# Altium PCB main.PcbDoc (part 2 of 3)
Units mm, origin at the board's own origin, x right, y up, seen from the top; angles counter-clockwise.
Board outline 100 x 62 mm, 6 copper layers (Layer 1 SIG, Layer 2 GND, Layer 3 SIG, Layer 4 GND, Layer 5 GND, Layer 6 PWR), stack 1.548 mm thick; 223 components, 150 nets, 791 pads, 621 vias.
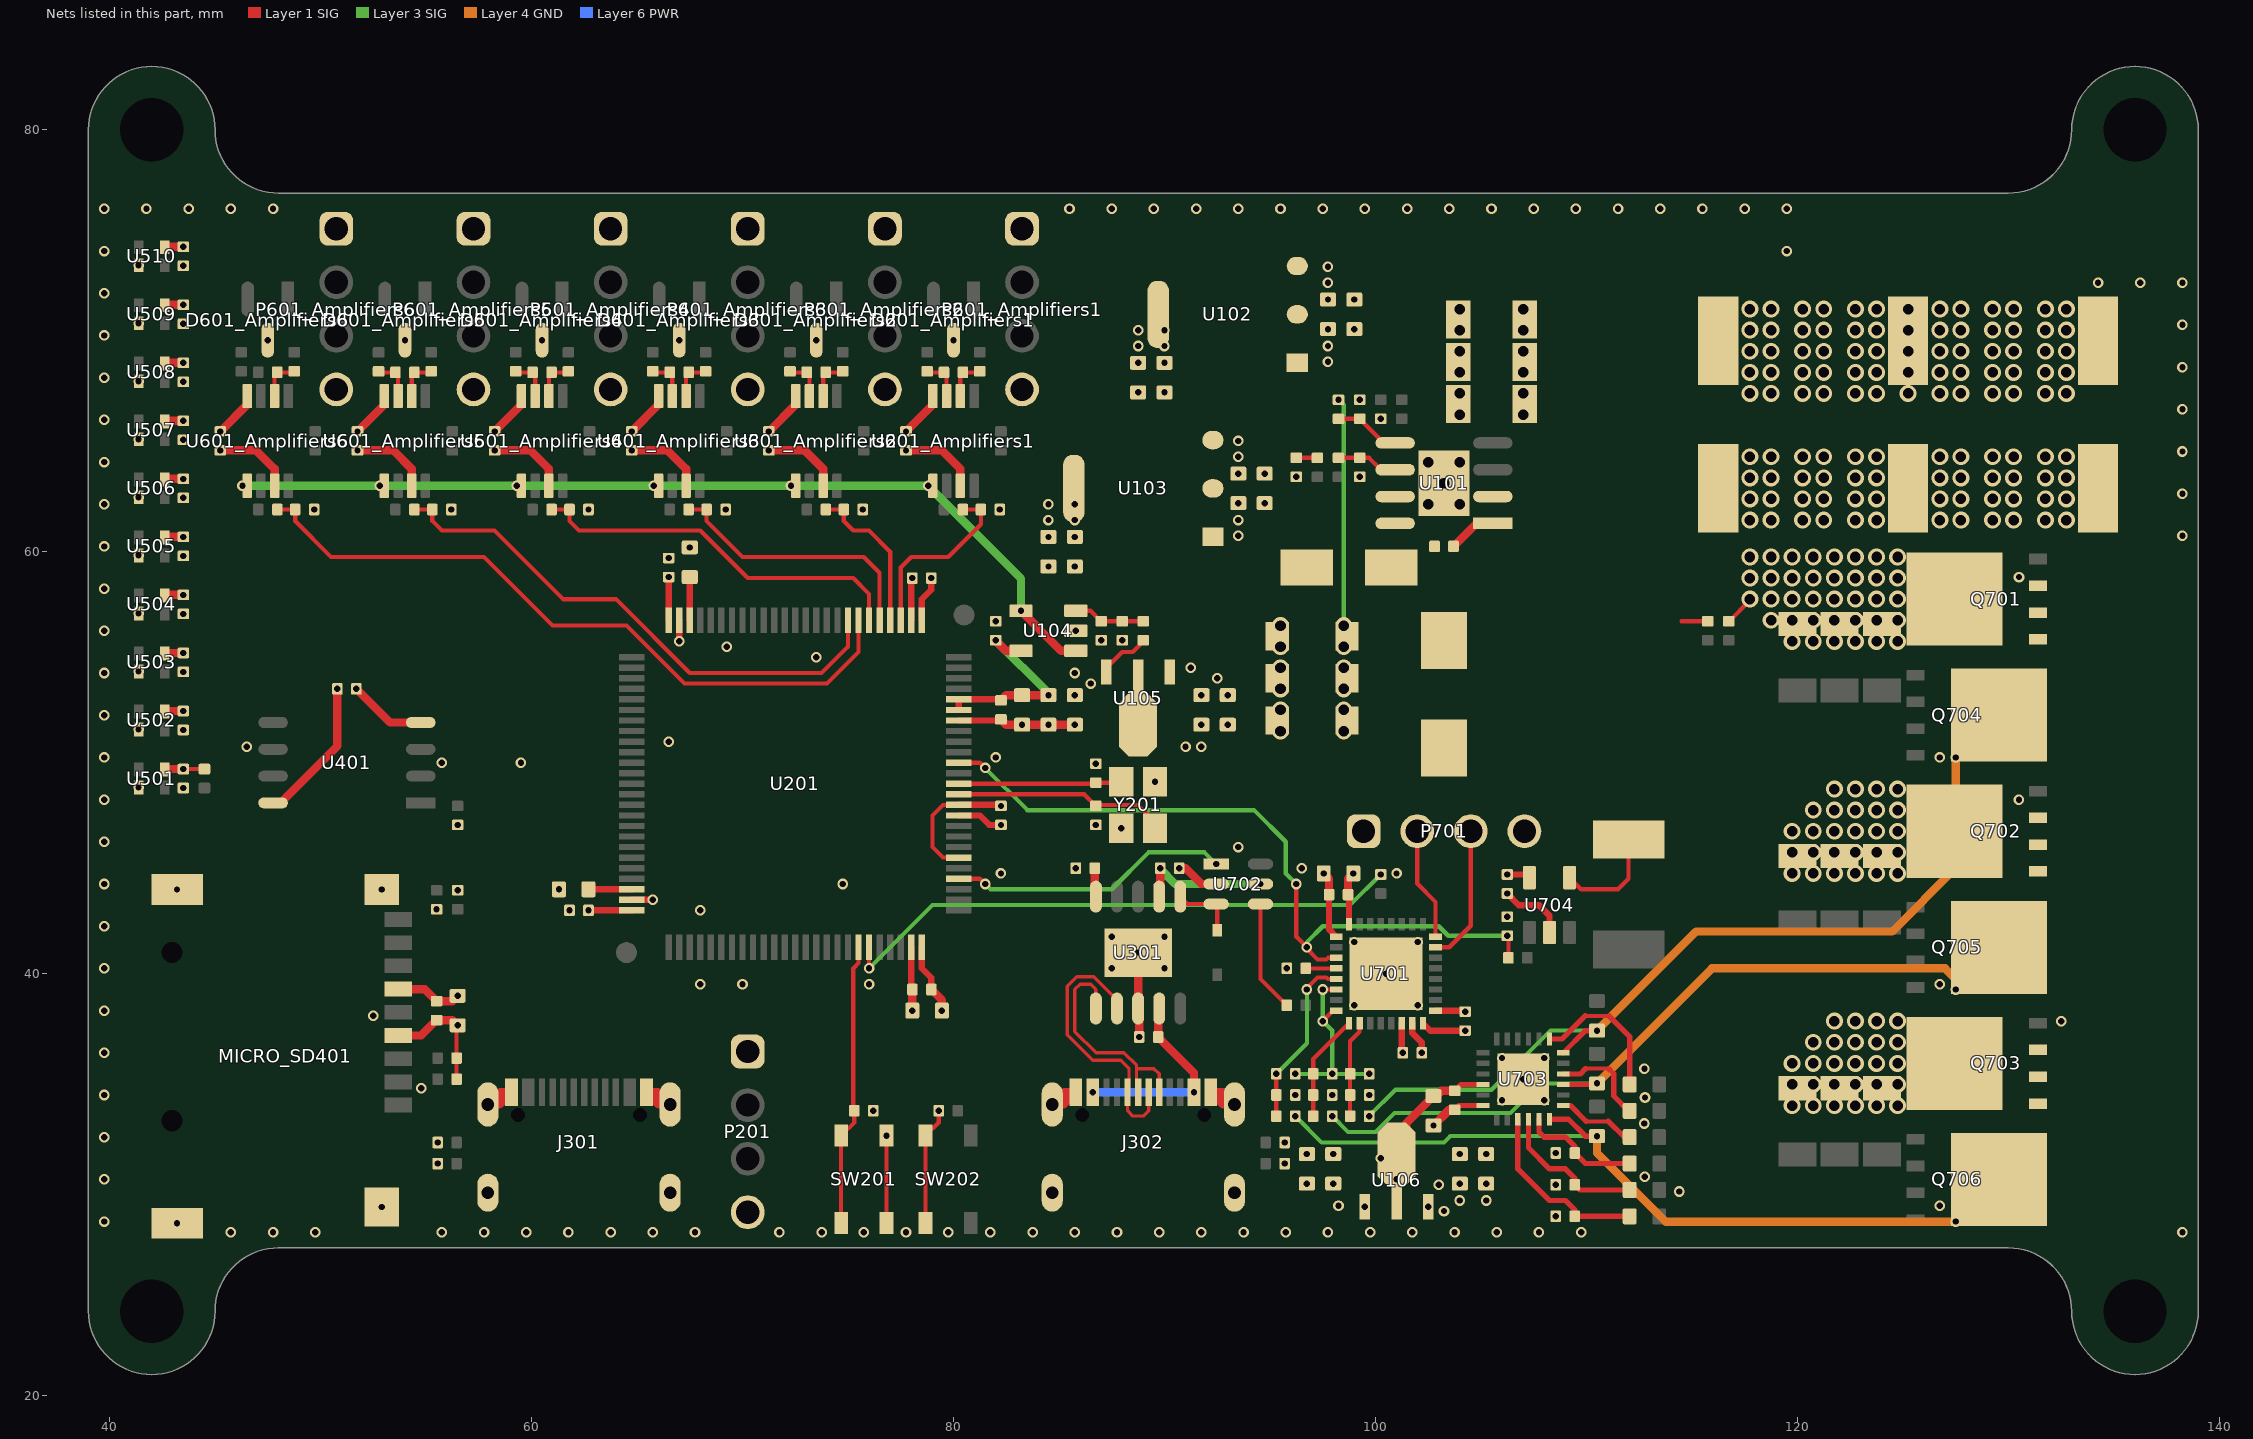
[diagram p6: the nets of this part, all layers, seen from the top]

## Part data
C101 C118 C119 C202 C203 C204 C205 C206 C210 C213 C301 C302 C303 C401 C402 C501 C502 C503 C504 C505 C506 C507 C508 C509 C510 C601_Amplifiers1 C601_Amplifiers2 C601_Amplifiers3 C601_Amplifiers4 C601_Amplifiers5 C601_Amplifiers6 C602_Amplifiers1 C602_Amplifiers2 C602_Amplifiers3 C602_Amplifiers4 C602_Amplifiers5 C602_Amplifiers6 C603_Amplifiers1 C603_Amplifiers2 C603_Amplifiers3 C603_Amplifiers4 C603_Amplifiers5 C603_Amplifiers6 C702 C703 C704 C705 C719 C721 C724: library part CMP-001-00065-4, "Chip Capacitor, 100nF +/-20%, 25V, 0402, Thickness 0.6 mm", Case/Package=0402, Max Operating Temperature=85°C, Min Operating Temperature=-55°C, Tolerance=10%, Voltage Rating=25V, Mounting Technology=SMT, Pins=2
C102 C103 C104 C706 C707 C708 C709 C710 C711 C712 C713 C714: library part CMP-06035-056253-1, "Chip Multilayer Ceramic Capacitors for General Purpose, 1206, 4.7uF, X7R, 15%, 10%, 100V"
C105 C106 C107: library part CMP-2000-07442-2, "Multilayer Ceramic Capacitors 47uF ±20% 16V X5R SMD 1206", Capacitance=47uF, Case Code (Imperial)=1206, Case Code (Metric)=3216, Dielectric=X5R, Dielectric Material=Ceramic, Max Operating Temperature=85°C, Min Operating Temperature=-55°C, Package Quantity=1, Tolerance=20%, Voltage Rating=16V, Case/Package=1206, Construction=Flat, Depth=1.6mm, Height=1.6mm, Lead Free="Lead Free", Length=3.2mm, Mount="Surface Mount", Packaging="Tape and Reel", Radiation Hardening=No, REACH SVHC="No SVHC", Resistor Type=Ceramic, RoHS Compliant=Yes, Series=C, Termination=SMD/SMT, Thickness=0.071inch, Voltage Rating (DC)=16V, Weight=0.000571oz, Width=0.063inch
C108 C211 C212: library part CMP-001-00069-3, "Chip Capacitor, 15pF +/-20%, 50V, 0402, Thickness 0.6 mm", Case/Package=0402, Max Operating Temperature=85°C, Min Operating Temperature=-55°C, Tolerance=5%, Voltage Rating=50V, Mounting Technology=SMT, Pins=2
C109: library part CMP-001-00069-3, "Chip Capacitor, 10nF +/-20%, 50V, 0402, Thickness 0.6 mm", Case/Package=0402, Max Operating Temperature=85°C, Min Operating Temperature=-55°C, Tolerance=5%, Voltage Rating=50V, Mounting Technology=SMT, Pins=2
C110 C111 C112 C113 C114 C115 C116 C117 C120 C121 C122 C123 C124 C125 C126 C127 C201 C207 C208 C209 C403 C701 C718 C720 C722 C723: library part CMP-001-00075-4, "Chip Capacitor, 10µF +/-20%, 10V, 0603, Thickness 1 mm", Case/Package=0603, Max Operating Temperature=85°C, Min Operating Temperature=-55°C, Tolerance=10%, Voltage Rating=10V, Mounting Technology=SMT, Pins=2
C715 C716 C717: library part CMP-03913-53914685-1, "865230453006 WCAP-AS5H Aluminum Electrolytic Capacitors", Capacitance=100µF, Case/Package=Radial, Insulation Resistance=1MΩ, Leakage Current=25µA, Max Operating Temperature=105°C, Min Operating Temperature=-40°C, Ripple Current=116mA, Tolerance=20%, Voltage Rating=25V, Diameter=8mm, Height=10.5mm, Height - Seated (Max)=10.4902mm, Length=10.5mm, Life (Hours)=5000hours, Mount="Surface Mount", NexarPartId=53914685, Packaging=Digi-Reel®, Polarity=Polar, REACH SVHC=Unknown, Ripple Current (AC)=116mA, RoHS=Compliant, Voltage Rating (DC)=25V, Width=8.3mm
D101: library part CMP-1667-00003-3, "DIODE SCHOTTKY 40V 3A SMA", Average Rectified Current=3A, Capacitance=250pF, Case/Package=SMA, Forward Voltage=500mV, Max Forward Surge Current (Ifsm)=80A, Max Operating Temperature=125°C, Max Repetitive Reverse Voltage (Vrrm)=40V, Max Reverse Current=500uA, Min Operating Temperature=-55°C, Package Quantity=5000, Contact Plating=Tin, Current=3A, Current Rating=3A, Element Configuration=Single, Forward Current=3A, Height=2.3mm, Lead Free="Lead Free", Length=4.6mm, Max Reverse Voltage (DC)=40V, Mount="Surface Mount", Number of Pins=2, Output Current=3A, Packaging="Tape and Reel", Peak Non-Repetitive Surge Current=80A, Polarity=Standard, Radiation Hardening=No, REACH SVHC="No SVHC", RoHS Compliant=Yes, Series=-, Termination=SMD/SMT, Voltage=40V, Voltage Rating (DC)=40V, Weight=0.002258oz, Width=2.92mm
D301: library part CMP-1667-00004-1, "Fast Switching Diode, 75 V, 0.3 A, -65 to 150 degC, 2-Pin SOD323, RoHS, Tape and Reel", ComponentLink1Description="Manufacturer URL", ComponentLink1URL=http://www.diodes.com/, ComponentLink2Description=Datasheet, ComponentLink2URL=http://www.diodes.com/datasheets/ds30097.pdf, DatasheetVersion="Rev. 25-2, 03/2016", PackageDescription="2-Pin Small Outline Diode, Body 1.7 x 1.3 mm", PackageReference=SOD323-2
D601_Amplifiers1 D601_Amplifiers2 D601_Amplifiers3 D601_Amplifiers4 D601_Amplifiers5 D601_Amplifiers6: library part CMP-14432-000008-1, "TVS DIODE 3.3VWM 20VC TO236AB", RoHS Compliant=Yes
J301 J302: "Connector Type:Type-C Standard:- Gender:Female Number of Contacts:16 Number of Ports:1 Mounting Style:Surface Mount Current Rating - Power (Max):3A Operating Temperature Range:-25℃~+85℃ Operating Temperature Range:-25℃~+85℃", Current Rating - Power (Max)=3A, JLCPCB Part Class="Extended Part", LCSC Part Name="Type-C 母座 卧贴", Manufacturer=DEALON(德艺隆), Operating Temperature Range=-25℃~+85℃, Add into BOM=yes, Connector Type=Type-C, Convert to PCB=yes, Datasheet=https://atta.szlcsc.com/upload/public/pdf/source/20211217/CCD3D517E355E8E0CC52ABD8D5784AD8.pdf, Device=USB-TYPE-C-019, Gender=Female, Manufacturer Part=USB-TYPE-C-019, Mounting Style="Surface Mount", Number of Contacts=16, Number of Ports=1, Standard=-, Supplier=LCSC, Supplier Footprint=SMD, Supplier Part=C2927039, Symbol=USB-TYPE-C-019
L101: library part CMP-0226-00071-2, Ambient Temperature Range High=100°C, Ambient Temperature Range Low=-40°C, Case/Package=Nonstandard, Current Rating=6A, DC Resistance (DCR)=19.5mΩ, Inductance=4.7µH, Inductance Tolerance=20%, Max Operating Temperature=150°C, Saturation Current=7A, Self Resonant Frequency=33MHz, Series Resistance=19.5Ω, Test Frequency=100kHz, Composition=Wirewound, Depth=6.9mm, Height=3.8mm, Height - Seated (Max)=3.9878mm, Lead Free="Lead Free", Length=7mm, Max DC Current=6A, Min Operating Temperature=-40°C, Mount="Surface Mount", NexarPartId=7864301, Number of Pins=2, Packaging="Cut Tape (CT)", REACH SVHC=Unknown, Resistance=19.5mΩ, RMS Current (Irms)=6A, RoHS=Compliant, Shielding=Shielded, Termination=SMD/SMT, Tolerance=20%, Width=6.9mm
MICRO_SD401: "Standard Card Edge Connectors", Package=Package, Availability="Not in stock", Check_prices=https://www.snapeda.com/parts/TF-01A/HRO+Electronics+Co.%252C+Ltd./view-part/?ref=eda, MF="HRO Electronics Co., Ltd.", MP=TF-01A, Price=None, SnapEDA_Link=https://www.snapeda.com/parts/TF-01A/HRO+Electronics+Co.%252C+Ltd./view-part/?ref=snap
P201 P601_Amplifiers1 P601_Amplifiers2 P601_Amplifiers3 P601_Amplifiers4 P601_Amplifiers5 P601_Amplifiers6 P701: library part CMP-1502-01064-3, Color=Black, Contact Resistance=20mΩ, Current Rating=3A, Max Operating Temperature=105°C, Min Operating Temperature=-40°C, Operating Supply Voltage=250V, Connector Type="Male Pin", Contact Material=Copper, Contact Mating Length=5.9944mm, Contact Plating=Gold, Gender=Male, Height=8.89mm, Lead Free="Lead Free", Lead Pitch=2.54mm, Mount="Through Hole", NexarPartId=32855522, Number of Contacts=4, Number of Pins=4, Number of Positions=4, Number of Rows=1, Orientation=Vertical, Packaging=Bulk, Pitch=2.54mm, REACH SVHC=Unknown, RoHS=Compliant, Termination=Solder, Voltage Rating=250V
Q701 Q702 Q703 Q704 Q705 Q706: library part CMP-00196-81703971-1, "BSC0702LSATMA1 Transistor MOSFET N-CH 60V 100A 8-Pin TDSON T/R - Tape and Reel", Continuous Drain Current (ID)=23A, Drain to Source Breakdown Voltage=60V, Drain to Source Resistance=2.3mΩ, Gate to Source Voltage (Vgs)=20V, Max Junction Temperature (Tj)=150°C, Min Operating Temperature=-55°C, Power Dissipation=2.5W, Drain to Source Voltage (Vdss)=60V, Height=1mm, Max Operating Temperature=150°C, NexarPartId=81703971, Number of Channels=1, Turn-Off Delay Time=25ns, Turn-On Delay Time=7.7ns
R101 R103 R106 R703 R704 R705 R706 R707 R708 R709: library part CMP-009-00168-3, "Chip Resistor, 100 kOhms, +/-1 %, 63 mW, -55 to 155 degC, 0402", Case/Package=0402, Max Operating Temperature=155°C, Min Operating Temperature=-55°C, Power=63mW, Tolerance=1%, Pins=2
R102 R104 R105 R107 R108 R201 R401 R402 R403 R404 R405 R602_Amplifiers1 R602_Amplifiers2 R602_Amplifiers3 R602_Amplifiers4 R602_Amplifiers5 R602_Amplifiers6 R603_Amplifiers1 R603_Amplifiers2 R603_Amplifiers3 R603_Amplifiers4 R603_Amplifiers5 R603_Amplifiers6 R604_Amplifiers1 R604_Amplifiers2 R604_Amplifiers3 R604_Amplifiers4 R604_Amplifiers5 R604_Amplifiers6 R720 R721 R722: library part CMP-009-00149-3, "Chip Resistor, 10 kOhms, +/-1 %, 63 mW, -55 to 125 degC, 0402", Case/Package=0402, Max Operating Temperature=155°C, Min Operating Temperature=-55°C, Power=63mW, Tolerance=1%, Pins=2
R301 R302 R303 R304 R501 R710 R711 R712 R713 R723: library part CMP-009-00158-3, "Chip Resistor, 5.1 kOhms, +/-1 %, 63 mW, -55 to 155 degC, 0402", Case/Package=0402, Max Operating Temperature=155°C, Min Operating Temperature=-55°C, Power=63mW, Tolerance=1%, Pins=2
R601_Amplifiers1 R601_Amplifiers2 R601_Amplifiers3 R601_Amplifiers4 R601_Amplifiers5 R601_Amplifiers6: library part CMP-009-00157-3, "Chip Resistor, 1.2 kOhms, +/-1 %, 63 mW, -55 to 155 degC, 0402", Case/Package=0402, Max Operating Temperature=155°C, Min Operating Temperature=-55°C, Power=63mW, Tolerance=1%, Pins=2
R701 R702: library part CMP-009-00167-3, "Chip Resistor, 100 Ohms, +/-1 %, 63 mW, -55 to 155 degC, 0402", Case/Package=0402, Max Operating Temperature=155°C, Min Operating Temperature=-55°C, Power=63mW, Tolerance=1%, Pins=2
R714 R715 R716 R717 R718 R719: library part CMP-009-00183-1, "Chip Resistor, 20 Ohms, +/-5 %, 0.1 W, -55 to 155 degC, 0603", Case/Package=0603, Max Operating Temperature=155°C, Min Operating Temperature=-55°C, Power=100mW, Tolerance=5%, Pins=2
R724: library part CMP-04015-070281-1, "RES 500 UOHM 1% 8W NONSTANDARD", RoHS Compliant=Yes
SW201 SW202: library part CMP-10040-000001-2, "SWITCH TACTILE SPST-NO 0.05A 16V", Case/Package=SMD/SMT, Color=Black, Current Rating=50mA, Max Operating Temperature=85°C, Min Operating Temperature=-40°C, Operating Force=160gf, Package Quantity=2900, Voltage Rating (DC)=16V, Actuator Type=Standard, Contact Plating=Silver, Depth=4.6mm, Illumination Type=Non-Illuminated, Lead Free="Lead Free", Length=3.2mm, Max Current Rating=50mA, Mechanical Life=150000Cycles, Mount="Surface Mount", Orientation=Straight, Packaging="Tape and Reel", RoHS Compliant=Yes, Switch Function=Off-Mom, Switch Travel=0.15mm, Termination=J-Bend, Throw Configuration=SPST
U101: library part CMP-04918-000033-1, "IC REG BCK SPLIT RAIL ADJ 8SOPWR", Manufacturer="Texas Instruments", Max Junction Temp=+150°C, Max Supply Voltage=60V, Min Supply Voltage=4.5V, Nominal Supply Current=146uA, Output Current=5A, Output Voltage=0.8-58.8V, Package=DDA0008E, Switching Frequency=100-2500kHz, Temperature="-40°C to +125°C", Temperature Range High=+125°C, Temperature Range Low=-40°C, Automotive=No, Category=IC, ComponentLink2Description=Datasheet, ComponentLink2URL=http://www.ti.com/lit/ds/symlink/tps54560.pdf, Device Class L1="Integrated Circuits (ICs)", Device Class L2="Power Management ICs", Device Class L3="Voltage Regulators - Switching", Digikey Description="IC REG BCK SPLIT RAIL ADJ 8SOPWR", Height=1.7mm, Ipc Land Pattern Name=SOIC127P600X170-8, Lead Free=Yes, Manufacturer Part Number=TPS54560DDA, Max Duty Cycle=100%, Mouser Description="Voltage Regulators - Switching Regulators 60V Input 5 A SD DC-DC Cnvtr", Number Of Outputs=1, Octopart=https://octopart.com/tps54560dda-texas+instruments-26977150, Output Type=AdjustableProgrammable, RoHS=TRUE, Standoff Height=0mm, Switching Topology=Buck
U102: library part CMP-209535-000001-1, "LDO Voltage Regulators 1A, 5.0V", Dropout Voltage=1.1V, JLCPCB Part #=C6187, Manufacturer="Advanced Monolithic Systems", Max Junction Temp=+125°C, Max Power Dissipation=1.2W, Max Supply Voltage=15V, Nominal Supply Current=5mA, Output Current=1A, Output Voltage=3.3V, Package=AMS1117, Temperature="-40°C to +125°C", Temperature Range Low=-40°C, Automotive=No, Category=IC, ComponentLink2Description=Datasheet, ComponentLink2URL=http://www.advanced-monolithic.com/pdf/ds1117.pdf, Device Class L1="Integrated Circuits (ICs)", Device Class L2="Power Management ICs", Device Class L3="Voltage Regulators - Linear", Height=1.8mm, Ipc Land Pattern Name=SOT229P700X180-4, Lead Free=Yes, Manufacturer Part Number=AMS1117-5.0, Number Of Outputs=1, Output Type=Fixed, RoHS=TRUE, Standoff Height=0.64mm, Temperature Range High=+125°C
U103: library part CMP-209535-000001-1, "LDO Voltage Regulators 1A, 3.3V", Dropout Voltage=1.1V, JLCPCB Part #=C6186, Manufacturer="Advanced Monolithic Systems", Max Junction Temp=+125°C, Max Power Dissipation=1.2W, Max Supply Voltage=15V, Nominal Supply Current=5mA, Output Current=1A, Output Voltage=3.3V, Package=AMS1117, Temperature="-40°C to +125°C", Temperature Range Low=-40°C, Automotive=No, Category=IC, ComponentLink2Description=Datasheet, ComponentLink2URL=http://www.advanced-monolithic.com/pdf/ds1117.pdf, Device Class L1="Integrated Circuits (ICs)", Device Class L2="Power Management ICs", Device Class L3="Voltage Regulators - Linear", Height=1.8mm, Ipc Land Pattern Name=SOT229P700X180-4, Lead Free=Yes, Manufacturer Part Number=AMS1117-3.3, Number Of Outputs=1, Octopart=https://octopart.com/ams1117-3.3-advanced+monolithic+systems-25899300, Output Type=Fixed, RoHS=TRUE, Standoff Height=0.64mm, Temperature Range High=+125°C
U104: library part CMP-0272-00862-4, "IC OPAMP ZER-DRIFT 1CIRC SOT23-5", Case/Package=SOT-23-5, Input Bias Current=200pA, Input Offset Voltage (Vos)=10uV, Max Dual Supply Voltage=2.75V, Max Operating Temperature=125°C, Max Supply Voltage=5.5V, Min Dual Supply Voltage=900mV, Min Operating Temperature=-40°C, Min Supply Voltage=1.8V, Nominal Supply Current=25uA, Operating Supply Current=17uA, Output Current=5mA, Package Quantity=1, Power Supply Rejection Ratio (PSRR)=120dB, Voltage Gain=130dB, Bandwidth=350kHz, Common Mode Rejection Ratio=106dB, Contact Plating=Gold, Gain Bandwidth Product=350kHz, Lead Free="Lead Free", Max I/O Voltage=10uV, Number of Amplifiers=1, Number of Channels=1, Number of Circuits=1, Number of Elements=1, Number of Pins=5, Operating Supply Voltage=2.75V, Output Current per Channel=5mA, Packaging="Tape and Reel", Radiation Hardening=No, REACH SVHC="No SVHC", Slew Rate=0.16V/µs, Unity Gain Bandwidth Product=350kHz
U105 U106: library part CMP-0204-00101-1, "100mA Low Power LDO, Output Voltage 3.3V, SOT89 Pkg", Code_IPC=SOT89, DatasheetVersion="Rev1.80, Mar-2010", PackageDescription="3-Pin SOT-89 Package 1.5 mm Pitch, 4.1 mm Lead Span", PackageReference=SOT89, PackageVersion=May-2010
U201: library part CMP-12105-000017-1, "IC MCU 32BIT 128KB FLASH 100LQFP", Ambient Temperature Range High=+85°C, Ambient Temperature Range Low=-40°C, Frequency=480MHz, Manufacturer=STMicroelectronics, Max Junction Temp=+125°C, Max Supply Voltage=3.6V, Min Supply Voltage=1.62V, Package=LQFP100-1L, Temperature="-40°C to +125°C", Automotive=No, Category=IC, ComponentLink2Description=Datasheet, ComponentLink2URL=https://www.st.com/resource/en/datasheet/stm32h750vb.pdf, Core Architecture="ARM Cortex-M7", Data Bus Width=32bits, Device Class L1="Integrated Circuits (ICs)", Device Class L2="Embedded Processors and Controllers", Device Class L3=Microcontrollers, Digikey Description="IC MCU 32BIT 128KB FLASH 100LQFP", Height=1.6mm, Interface=I2C,SPI,UART,USART,CAN,USB,LIN,IrDA,Ethernet,I2S,Other, Lead Free=Yes, Manufacturer Part Number=STM32H750VBT6, Memory Size=128KBytes, Memory Type=FLASH, Mouser Description="MCU 32-Bit STM32H750VB ARM Cortex M7 RISC 128KB Flash 1.8V/2.5V/3.3V 100-Pin LQFP Tray", Number Of A/D Converters=3, Number Of Adc Channels=36, Number Of Cores=1, Number Of Ethernet Channels=1, Number Of I2C Channels=4, Number Of I/Os=82, Number Of Pwm Channels=42, Number Of Spi Channels=6, Number Of Timers/Counters=20, Number Of Uart Channels=9, Number Of Usb Channels=2, Octopart=https://octopart.com/stm32h750vbt6-stmicroelectronics-94048547, Ram Size=1MBytes, RoHS=TRUE, Standoff Height=0.05mm, Temperature Range High=+125°C, Temperature Range Low=-40°C
U301: "ESSOP-10-150mil USB Converters ROHS"
U401: library part CMP-2000-05006-2, "IC FLASH 32M SPI 104MHZ 8SOIC", Ambient Temperature Range High=+85°C, Ambient Temperature Range Low=-40°C, Frequency=104MHz, Manufacturer=Winbond, Max Supply Voltage=3.6V, Min Supply Voltage=2.7V, Nominal Supply Current=8-20mA, Package=SS, Temperature="-40°C to +85°C", Access Time=7ns, Automotive=No, Category=IC, ComponentLink2Description=Datasheet, ComponentLink2URL=https://www.winbond.com/resource-files/w25q32fv%20revj%2006032016.pdf, Device Class L1="Integrated Circuits (ICs)", Device Class L2=Memory, Device Class L3=Flash, Digikey Description="IC FLASH 32M SPI 104MHZ 8SOIC", Footprint Url=http://www.winbond.com/resource-files/an0000009%20spiflash%20pcb%20layout%20guideline%20v2.0%2009252017.pdf?__locale=en, Height=2.16mm, Interface=SPI,Other, Ipc Land Pattern Name=SOIC127P790X195-8, Lead Free=Yes, Manufacturer Part Number=W25Q32JVSSIQ, Memory Size=32Mbits, Memory Type=FLASH, Obsolete Part=true, Octopart=https://octopart.com/w25q32fvssig-winbond-23896462, RoHS=TRUE, Standoff Height=0.05mm, Temperature Range High=+85°C, Temperature Range Low=-40°C
U601_Amplifiers1 U601_Amplifiers2 U601_Amplifiers3 U601_Amplifiers4 U601_Amplifiers5 U601_Amplifiers6: library part CMP-0944-00088-2, "Low Power, Precision Instrumentation Amplifier, -40 to 125 degC, 8-pin SOP (DGK8), Green (RoHS & no Sb/Br)", Input Bias Current (+/-)(Max)(nA)=0.2, Manufacturer="Texas Instruments", Quiescent Current (+/-)(Typ)(mA)=0.05, CMRR(Min)(dB)=100, Code_JEDEC=MO-187, ComponentLink1Description="Manufacturer URL", ComponentLink1URL=http://www.ti.com/, ComponentLink2Description=Datasheet, ComponentLink2URL=http://www.ti.com/general/docs/lit/getliterature.tsp?genericPartNumber=INA333&fileType=pdf, ComponentLink3Description="Package Specification", ComponentLink3URL=http://www.ti.com/litv/pdf/mpds028d, DatasheetVersion=SBOS445B, Eco-Plan="Green (RoHS & no Sb/Br)", Gain(V/V)="1 to 1000", Input Offset (+/-)(Max)(uV)=25, Input Offset Drift (+/-)(Max)(uV/Degrees Celsius)=0.1, Mounting Technology="Surface Mount", Noise at 1kHz(Typ)(nV/rt(Hz))=50, Number of Channels=1, Output Offset (+/-)(Max)(uV)=75/G, Output Offset Drift (+/-)(Max)(uV/Degrees Celsius)=0.5/G, PackageDescription="8-Pin Thin Small Outline, Body 3 x 3 mm, Pitch 0.65 mm", PackageReference=DGK0008A, PackageVersion="4073329/E, 05/2006", PartNumber=INA333AIDGKR, SubFamily="Single Supply", Vs(Max)(V)=5.5, Vs(Min)(V)=1.8
U701: library part CMP-12105-000119-1, "IC MCU 32BIT 128KB FLSH 32UFQFPN", RoHS Compliant=Yes
U702: library part CMP-0859-00203-4, "IC SWITCH SPDT SOT23-6", Case/Package=SOT-23, High Level Output Current=128mA, Max Operating Temperature=125°C, Max Supply Current=10uA, Max Supply Voltage=5.5V, Min Operating Temperature=-40°C, Min Supply Voltage=1.65V, On-State Resistance=15R, Operating Supply Current=1uA, Package Quantity=3000, Bandwidth=300MHz, Contact Plating=Gold, Height=1.3mm, Lead Free="Lead Free", Length=3.05mm, Low Level Output Current=128mA, Mount="Surface Mount", Nominal Supply Current=10uA, Number of Bits=1, Number of Channels=1, Number of Inputs=1, Number Of Outputs=2, Number of Pins=6, Packaging="Tape and Reel", Polarity=Non-Inverting, Propagation Delay=300ps, Radiation Hardening=No, REACH SVHC="No SVHC", RoHS Compliant=Yes, Series=74LVC, Supply Current=10uA, Supply Type=Single, Termination=SMD/SMT, Throw Configuration=SPDT, Turn-Off Delay Time=3.8ns, Turn-On Delay Time=5.7ns, Weight=0.000229oz, Width=1.75mm